# Altium PCB V1.1.PcbDoc (continued)
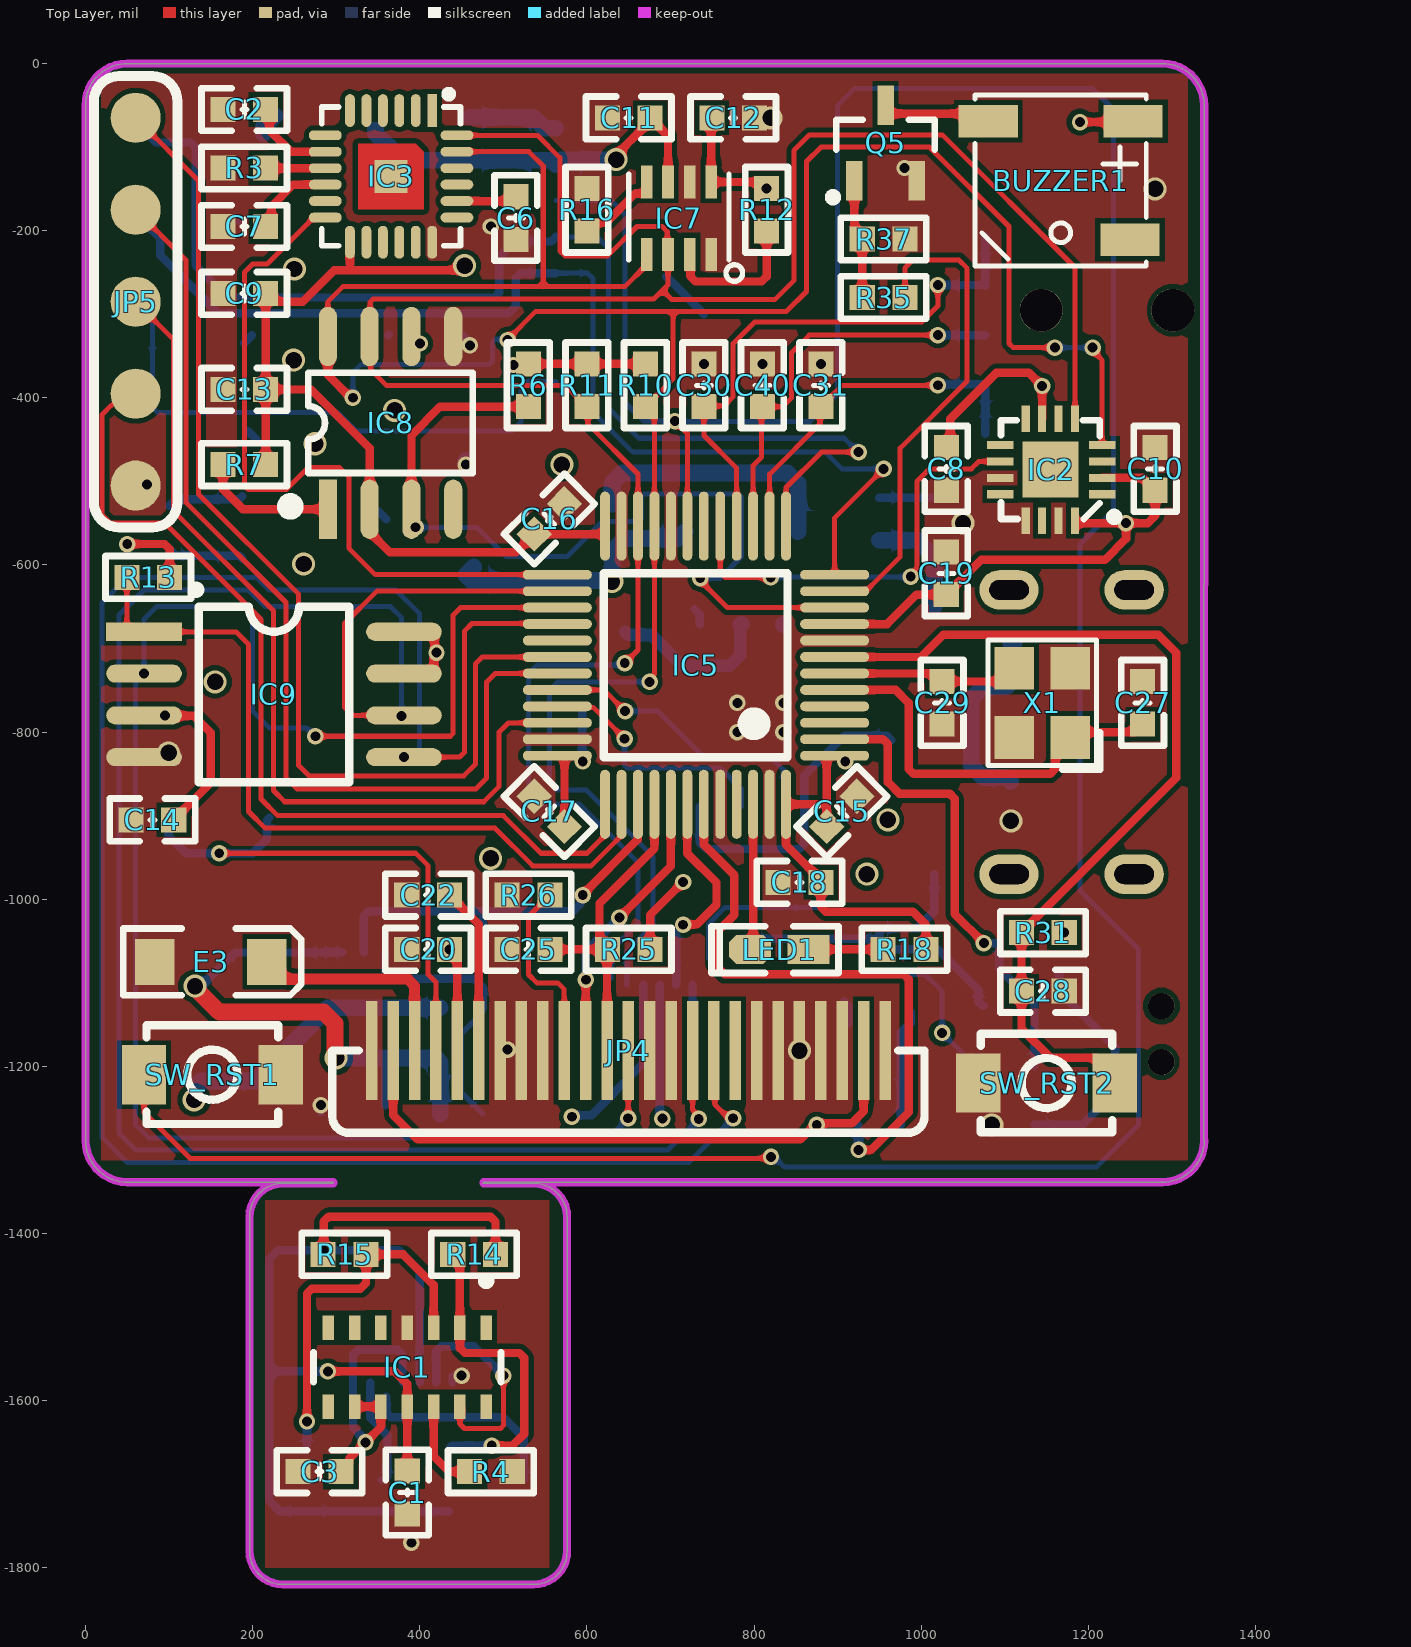
[diagram p0: Top Layer view]
## Footprints (in the part's own frame and the unit in brackets; to place one, negate y for a bottom-side part, rotate by r counter-clockwise, add the part's x,y. Pads: shape width x height; smd on the part's side, far side on the other; paste and mask are expansions set on the pad) (continued)
  rect 1x1 smd: 25(0,0)
  Top Layer region: -1,1 1,1 1,-1 -0.75,-1 -1,-0.75
  silkscreen extent -2.11,-2.6 2.11,2.11, body extent -2.01,-2.01 2.01,2.01, height 0.95
"R 0603_L" [mil] "1/10W贴片电阻"
  rect 30x30 smd: 1(-25.59,0) 2(25.59,0)
  silkscreen extent -51,-26 51,26, body extent -31,-16 31,16, height 16
SOD-123 [mil] "2.7x1.6X1.1mm（长宽高，不包括引脚）"
  rect 55x50 smd: 1(-67.5,0)
  oct 55x50 smd: 2(67.5,0)
  silkscreen extent -108,-35 112,35, body extent -73,-31 73,31, height 48
SOP8_N [mm] "5*6*1.8mm（长宽高）"
  rect 1.8x0.55 smd: 1(-2.625,1.905)
  oval 1.8x0.55 smd: 2(-2.625,0.635) 3(-2.625,-0.635) 4(-2.625,-1.905) 5(2.625,-1.905) 6(2.625,-0.635) 7(2.625,0.635) 8(2.625,1.905)
  silkscreen extent -2.69,-2.5 1.52,3.2, body extent -3,-2.5 3,2.5, height 1.9
SOP8W_N [mm] "5.3*8.3*1.8mm（长宽高）"
  rect 2.3x0.55 smd: 1(-3.95,1.905)
  oval 2.3x0.55 smd: 2(-3.95,0.635) 3(-3.95,-0.635) 4(-3.95,-1.905) 5(3.95,-1.905) 6(3.95,-0.635) 7(3.95,0.635) 8(3.95,1.905)
  silkscreen extent -2.37,-2.67 2.29,3.19, body extent -3.94,-2.64 3.94,2.64, height 1.9
SOP-8_L4.9-W3.9-P1.27-LS6.0-BL-EP3.1 [mm]
  oval 0.6x1.8 smd mask+0.051: 1(-1.905,-2.772) 2(-0.635,-2.772) 3(0.635,-2.772) 4(1.905,-2.772) 5(1.905,2.772) 6(0.635,2.772) 7(-0.635,2.772) 8(-1.905,2.772)
  rect 3.1x2 smd mask+0.051: 9(0,0)
  silkscreen extent -2.8,-2.92 2.53,1.52, body extent -2.44,-3 2.46,3, height 1.7
SOT23-3L [mm] "3x1.3x1mm(长宽高)"
  rect 0.45x1 smd: 1(-0.95,-1.143) 2(0.95,-1.143) 3(0,1.125)
  silkscreen extent -1.72,-1.65 1.5,0.7, body extent -1.5,-1.2 1.5,1.2, height 1.05
SOT23-3N [mm] "3x1.3x1mm(长宽高)"
  rect 0.5x1.2 smd: 1(-0.95,-1.143) 2(0.95,-1.143) 3(0,1.143)
  silkscreen extent -1.72,-1.78 1.5,0.7, body extent -1.5,-1.2 1.5,1.2, height 1.05
SOT23-5L [mm] "3x1.6x1.1mm(长宽高)"
  rect 0.45x1 smd: 1(-0.95,-1.4) 2(0,-1.4) 3(0.95,-1.4) 4(0.95,1.4) 5(-0.95,1.4)
  silkscreen extent -1.6,-1.73 1.5,0.66, body extent -1.5,-1.4 1.5,1.4, height 1.15
SOT23-6 [mm] "SOT-23/SC-74A; 5 Leads; Body 3.1 x 3 mm, inc. leads (LxW max)"
  rect 0.55x1.45 smd: 1(0.95,1.075) 2(0,1.075) 3(-0.95,1.075) 4(-0.95,-1.075) 5(0,-1.075) 6(0.95,-1.075)
  silkscreen extent -1.55,-0.9 1.73,1.88, body extent -1.43,-1.2 1.49,1.14, height 1
SW-SMD_L4.0-W3.0-LS4.6 [mm]
  rect 1.35x1.8 smd mask+0.051: 1(-2.075,0) 2(2.075,0)
  silkscreen extent -2,-1.5 2,1.5, body extent -2.27,-1.48 2.27,1.52, height 2.02
TEST_POINT_3 [mil] "封装底层3个测试点"
  round 60 smd far side: 1(-110,0) 2(0,0) 3(110,0)
TEST_POINT_5 [mil] "封装顶层5个测试点"
  round 60 smd: 1(-220,0) 2(-110,0) 3(0,0) 4(110,0) 5(220,0)
  silkscreen extent -270,-50 270,50
USB-C-SMD_918-418K2023S40006 [mm]
  oval 1.2x1.8 hole 0.6 slot 1.2 at 90 deg mask+0.051: 1(4.32,1.9) 2(4.32,-1.9) 3(-4.32,-1.9) 4(-4.32,1.9)
  rect 0.7x1 smd mask+0.051: A5(-0.5,1.85) B5(0.5,1.85)
  rect 0.8x1 smd mask+0.051: A9(1.5,1.85) A12(2.7,1.85) B9(-1.5,1.85) B12(-2.7,1.85)
  silkscreen extent -4.6,-4.55 4.6,0.66, body extent -4.47,-4.51 4.47,2.29, height 3.16
拨轮开关 [mm]
  rect 0.8x1.3 smd: a(2.25,-5.45) a(2.25,5.45)
  rect 1.6x1 smd: b(-2.85,-3.75) c(-2.85,-2.25) d(-2.85,-0.75) e(-2.85,0.75) f(-2.85,2.25) g(-2.85,3.75) s(-1.6,-5.75) s(-1.6,5.75)
  round 1.3 hole 1.3 unplated: ""(-1.15,0) ""(2.85,0)
  silkscreen extent -4,-7.18 8.7,7.17, body extent -3.28,-7.28 8.72,7.28, height 3

## Part data
BUZZER1: "贴片蜂鸣器5020最小封装"
C1 C2 C3 C4 C5 C6 C7 C8 C9 C10 C11 C12 C13 C14 C15 C16 C17 C18 C19 C20 C21 C22 C23 C24 C25 C26 C27 C28 C29 C30 C31 C32 C33 C34 C35 C36 C37 C38 C39 C40: library part C, "无极性贴片电容", BOM名称=无极性贴片电容, 学习资源=www.ooocke.com, 版权归属=源创客
D1: "高速开关二极管", BOM名称=高速开关二极管, 学习资源=www.ooocke.com, 版权归属=源创客
D2: "肖特基二极管", BOM名称=高速开关二极管, 学习资源=www.ooocke.com, 版权归属=源创客
DZx1: "双肖特基，共阴极"
E1 E2 E3 E4: library part C-CD, "贴片钽电容", BOM名称=贴片钽电容, 学习资源=www.ooocke.com, 版权归属=源创客
H1: "引线焊盘", BOM名称=引线焊盘, 学习资源=www.ooocke.com, 版权归属=源创客
IC1: library part MAX30102, "IC SENSOR OXIMETER/HEARTRATE", Manufacturer="Maxim Integrated", Max Junction Temp=+90°C, Max Supply Voltage=2V, Min Supply Voltage=1.7V, Operating Supply Current=600uA, Package=F143A5-1, Temperature="-40°C to +85°C", Temperature Range High=+85°C, Temperature Range Low=-40°C, Automotive=No, Category=IC, ComponentLink2Description=Datasheet, ComponentLink2URL=https://datasheets.maximintegrated.com/en/ds/MAX30102.pdf, Device Class L1=Sensors, Device Class L2=unset, Device Class L3=unset, Digikey Description="IC SENSOR OXIMETER/HEARTRATE", Footprint Url=https://pdfserv.maximintegrated.com/land_patterns/90-0602.PDF, Height=1.65mm, Lead Free=Yes, Manufacturer Part Number=MAX30102EFD+, Mouser Description="Pulse Oximeter/Heart Rate Sensor, Oesip", Octopart=https://octopart.com/max30102efd%2B-maxim+integrated-59568799, RoHS=TRUE, Sensor Output=I2C
IC2: "采用高灵敏度霍尔传感器技术的三轴电子罗盘IC。 / 最适合步行城市导航，用于手机和其他便携式设备"
IC3: "陀螺仪"
IC4: "高精度库仑计"
IC5: library part STM32F103CB, "Flash:128/RAM:20/IO:48", BOM名称=32位STM单片机, 学习资源=www.ooocke.com, 版权归属=源创客
IC6: "ESP-01F WiFi 模块是由安信可科技开发的，该模块核心处理器 ESP8285 在较小尺寸封装中集成了业界领先的 Tensilica L106 超低功耗 32 位微型 MCU，带有 16 位精简模式，主频支持 80 MHz 和 160 MH，支持 RTOS，集成 Wi-Fi MAC/BB/RF/PA/LNA。ESP-01F WiFi 模块支持标准的 IEEE802.11 b/g/n 协议，完整的 TCP/IP 协议栈。用户可以使用该模块为现有的设备添加联网功能，也可以构建独立的网络控制器"
IC7: "气压，湿度，温度传感器"
IC9: library part W25Qxx, "外置Flash", BOM名称=外置Flash, 学习资源=www.ooocke.com, 版权归属=源创客
IC10: "28V、400mA 开关升压转换器，适用于 LCD 和白光 LED"
IC11: "PW4056H 是一款完整的采用恒定电流/恒定电压的高压、大电流、单节鲤离子电池线性充电IC，最高耐压可达 28V，6.5V 自动过压保护，充电电流可达 1A。"
IC12: "低噪声，恒频 1.2MHZ，输入电压范围2.7v-5v，5v固定输出电压，输出电流250mA的DCDC升压"
IC13: "RT9013是一款超低噪声、超低压差、超快速响应稳压器。它采用SOT23-5 (2.7mm X 1.4mm)/SC70-5( 1 8mm X 1.15mm )/DFN-6L( 2mm X 2mm )三种封装"
IC14: "PW6566 系列是使用 CMOS 技术开发的低压差，高精度 输出电压，低消耗电流正电压型电压稳压器"
JP1 JP3: library part FPC-6P, "FPC连接器", BOM名称=FPC连接器, 学习资源=www.ooocke.com, 版权归属=源创客
JP2: library part "Header 3", "3P接插件", BOM名称=3P接插件, 学习资源=www.ooocke.com, 版权归属=源创客
JP5: library part "Header 5", "5P接插件", BOM名称=5P接插件, 学习资源=www.ooocke.com, 版权归属=源创客
L1: library part L-NR, "NR磁胶电感", BOM名称=NR磁胶电感, 学习资源=www.ooocke.com, 版权归属=源创客
LED1: library part LED-SMD, "贴片LED", BOM名称=贴片LED, 学习资源=www.ooocke.com, 版权归属=源创客
Q1 Q2: "类型:-;漏源电压(Vdss):-;连续漏极电流(Id):-;功率(Pd):-;导通电阻(RDS(on)@Vgs,Id):-;阈值电压(Vgs(th)@Id):-;栅极电荷(Qg@Vgs):-;输入电容(Ciss@Vds):-;反向传输电容(Crss@Vds):-;", Continuous Drain Current (Id)=-, JLCPCB Part Class="Extended Part", Manufacturer=TWGMC(台湾迪嘉), Add into BOM=yes, Convert to PCB=yes, Datasheet=https://atta.szlcsc.com/upload/public/pdf/source/20200827/C727148_2301BBDB89FCE642A4A39ABEF7075607.pdf, Device=2SK3018, Drain Source On Resistance (RDS(on)@Vgs,Id)=-, Drain Source Voltage (Vdss)=-, Gate Threshold Voltage (Vgs(th)@Id)=-, Input Capacitance (Ciss@Vds)=-, LCSC Part Name=2SK3018, Manufacturer Part=2SK3018, Power Dissipation (Pd)=-, Reverse Transfer Capacitance (Crss@Vds)=-, Supplier=LCSC, Supplier Footprint=SOT-23, Supplier Part=C727148, Symbol=2SK3018_C727148, Total Gate Charge (Qg@Vgs)=-, Type=-
Q3 Q4: "P沟道场效应管", BOM名称=P沟道场效应管, 学习资源=www.ooocke.com, 版权归属=源创客
Q5 Q6: library part 8050-SMD, "高频放大-NPN型", BOM名称=高频放大-NPN型, 学习资源=www.ooocke.com, 属性="40V 1.5A 1W 100MHZ", 版权归属=源创客
R1 R2 R3 R4 R5 R6 R7 R10 R11 R12 R13 R14 R15 R16 R17 R18 R19 R20 R21 R22 R23 R24 R25 R26 R27 R29 R30 R31 R32 R35 R37 R38 R39 R40: library part R, "贴片电阻", BOM名称=贴片电阻, 学习资源=www.ooocke.com, 版权归属=源创客
SW_PWR1: library part "TSW 2x4x3.5", "2x4x3.5轻触开关", BOM名称=2x4x3.5轻触开关, 学习资源=www.ooocke.com, 版权归属=源创客
SW_RST1 SW_RST2: library part "TSW 3x4x2", "3x4x2开关", BOM名称=3x4x2开关, 学习资源=www.ooocke.com, 版权归属=源创客
USB1: library part "TYPE-C 6PIN", "连接器类型:Type-C;标准:USB 3.1;公母:母座;触点数量:6;端口数量:1;安装方式:卧贴;额定电流 - 电源:-;工作温度范围:-40℃~+85℃;", Current Rating - Power (Max)=-, JLCPCB Part Class="Extended Part", LCSC Part Name="Type-C 母座 卧贴 无弹单排LCP黑胶", Manufacturer=精拓金, Operating Temperature Range=-40℃~+85℃, Add into BOM=yes, Connector Type=Type-C, Convert to PCB=yes, Datasheet=https://atta.szlcsc.com/upload/public/pdf/source/20190620/C399925_D8B78B8101E8027AE7B71A8976357F30.pdf, Device=918-418K2023S40006, Gender=母座, Manufacturer Part=918-418K2023S40006, Mounting Style=卧贴, Number of Contacts=6, Number of Ports=1, Standard="USB 3.1", Supplier=LCSC, Supplier Footprint=SMD, Supplier Part=C399925, Symbol=918-418K2023S40006
X1: library part XTAL-4P, "4脚无源晶振", BOM名称=4脚无源晶振, 学习资源=www.ooocke.com, 版权归属=源创客

## Via types
v1: diameter 19.68, hole 11.81, Top Layer to Bottom Layer, tented both sides, 73 vias
v2: diameter 27.56, hole 19.68, Top Layer to Bottom Layer, tented both sides, 23 vias

## Nets (pads, with @x,y where several pads share a name; then routed paths per layer and width w, separated by ;. In a path a pad name is that pad's centre, name@x,y a point inside that pad or via, vN(x,y) a via of type N, cw(c..) or ccw(c..) an arc to the next point about the centre after c; other vN are vias at no path point)
+1.8V: C1.1 C33.1 IC1.11 IC14.2 JP1.4 JP3.3 Q1.1 Q2.1 R14.1 R15.1 | length 2643.6
  Top Layer w10: R15.1 284.41,-1420.59 v1(285,-1420) ; R15.1@284.41,-1420 285,-1419.41 285,-1385.86 290.86,-1380 484.74,-1380 490.59,-1385.86 R14.1 ; v1(290,-1565) 370,-1565 385,-1580 IC1.11 C1.1
  PWR w20: v2(370,-415) 410,-455 410,-510 510,-610 510,-780 390,-900 390,-962.11 v1(690.38,-1262.49)
  Bottom Layer w10: v1(290,-1565) 220,-1565 ; JP1.4 399.84,-1444.84 375,-1420 v1(285,-1420) 230.27,-1420 220,-1430.27 220,-1565 ; Q1.1 Q2.1 232.4,-1732.4 220,-1720 220,-1565 ; JP3.3 687.01,-1256.5 690.38,-1259.87 v1(690.38,-1262.49)
+3.3V: BUZZER1.1 C5.1 C8.2 C9.2 C10.2 C11.1 C12.1 C13.1 C14.2 C15.2 C16.2 C17.2 C18.2 C19.2 C20.2 C35.1 E1.1 IC2.2 IC2.7 IC2.16 IC3.13 IC5.1 IC5.9 IC5.24 IC5.36 IC5.48 IC6.17 IC7.6 IC7.8 IC8.2 IC9.3 IC9.7 IC9.8 IC13.5 JP4.5 R1.2 R6.1 R7.1 R10.1 R11.1 R12.2 R13.2 R17.2 R18.2 R22.2 R23.2 R25.1 R31.2 | length 3969.8
  Top Layer w10: v1@50.7,-575 94.73,-575 100.59,-580.86 R13.2 ; IC9.3 70.55,-780.55 129.69,-780.55 150,-800.86 150,-860.59 C14.2 ; R7.1 C13.1 ; IC3.13 316.42,-246.02 315,-247.44 ; IC9.8 412.32,-680 417.7,-685.38 417.7,-700.08 420,-702.38 420,-707.62 416.92,-710.7 416.92,-725.4 IC9.7@412.32,-730 ; v1(435.59,-1060) 444.88,-1069.3 JP4.5 ; v2@450.17,-245.17 v2(453.53,-241.81) 447.9,-247.44 315,-247.44 ; R6.1 R11.1 R10.1 ; IC5.36 572.25,-828.27 573.09,-829.1 C17.2 ; IC5.24@620.9,-526.91 621.73,-527.75 IC5.24 621.73,-562.25 620.9,-563.09 C16.2 514.99,-585 364.27,-585 340,-560.73 340,-460 270,-390 C13.1 ; v2(635,-115) 638.36,-111.64 638.36,-106.09 665.59,-78.85 665.59,-75 C11.1 697,-86.4 IC7.6 ; R25.1 675.59,-1018.81 v1(715,-979.41) ; C12.1 748.6,-65.81 IC7.8 807.28,-141.69 v1(815,-149.41) ; C15.2 886.9,-885 ; IC5.9 959.21,-670.79 994.41,-635.59 C19.2 1071.7,-593.89 1219.9,-593.89 1245.16,-568.63 1245.16,-550.16 v1(1245,-550) ; v1(909.16,-835) 911.9,-832.25 911.9,-829.1 911.07,-828.27 887.74,-828.27 886.9,-829.1 886.9,-885 ; R18.2 1005.59,-1030.59 990,-1015 885.86,-1015 880,-1009.14 880,-979.89 869.93,-969.82 869.93,-966.76 838.27,-935.1 IC5.48 885.49,-886.42 886.9,-885 ; C8.2 1034.73,-454.69 1034.73,-425.27 1090,-370 1128.83,-370 v1(1144.68,-385.86) IC2.7 ; IC2.16 1184.06,-549.92 1184.13,-550 v1(1245,-550) ; v1(1190,-70) 1252.7,-70 BUZZER1.1 ; IC2.2 1265.26,-495.85 C10.2 1280,-541.16 1271.15,-550 v1(1245,-550) ; C13.1 C9.2 225.58,-285 260,-285 297.56,-247.44 315,-247.44
  Bottom Layer w10: R22.2 594.41,-835.59 v1(595,-835) ; R22.2@594.41,-835 R23.2
  Bottom Layer w20: E1.1 346.93,-83.94 378.59,-115.59 C5.1 557.56,-115.59 IC6.17 568.7,-115 v2(635,-115)
  other v1: 1171.18,-1040 95,-780 420,-705 50,-575 512.02,-360.76
+5V: C3.2 C39.1 IC1.9 IC1.10 IC12.1 JP1.3 JP3.4 | length 1596.8
  Top Layer w10: C3.2 315.59,-1675 315.59,-1669.41 v1(335,-1650) 353.5,-1631.5 IC1.10 IC1.9
  PWR w20: v2(274.78,-455) 276.23,-456.45 311.45,-456.45 365,-510 365,-700 320,-745 320,-1105 475.36,-1260.36 v1(582.08,-1260.36)
  Bottom Layer w10: v1(335,-1650) 335,-1647.38 320,-1632.38 320,-1545.1 325.86,-1539.24 373.39,-1539.24 379.25,-1545.1 379.25,-1577.4 JP1.3 ; v1(582.08,-1260.36) 583.94,-1258.51 605.55,-1258.51 667.32,-1196.74 JP3.4
+15V: C21.2 D1.2 E2.1 JP4.2 JP4.24 R21.2 | length 1449
  Top Layer w10: JP4.2 368.11,-1258.11 397.51,-1287.51 855.26,-1287.51 872.77,-1270 v1(875,-1270) 876.85,-1268.15 916.85,-1268.15 931.1,-1253.9 JP4.24
  PWR w20: v2(484.78,-951.07) 484.78,-949.02 523.8,-910 740,-910 900,-1070 900,-1245 v1(875,-1270)
AK_INT: IC2.10 IC5.17 | length 512.8
  Top Layer w6: IC5.17 759.53,-609.14 765.39,-615 v1(820,-615) ; v1(987.55,-613.91) 987.55,-611.01 995,-603.55 995,-500 1010,-485 1060,-485 1068.83,-476.17 IC2.10
  Bottom Layer w6: v1(820,-615) 820.54,-614.46 987,-614.46 v1(987.55,-613.91)
BAT+: C26.1 H1.+ IC11.5 Q3.3 R2.2 | length 2559.9
  PWR w20: v2(130,-1240) 130,-1180 230,-1080 230,-760 310,-680 310,-532.57 292.43,-515 242.57,-515 220,-492.43 220,-445 380,-285 530,-285 570,-325 v2(570,-480) 770,-480 865,-575 865,-665 960,-760 v2(960,-905)
  Bottom Layer w20: H1.+ 137.39,-1217.61 202.39,-1217.61 290,-1130 R2.2
BAT-: C4.1 H1.- IC4.1 IC4.5 IC4.6 R5.1 | length 667.6
  Top Layer w20: v2(131,-1104) 131,-1106.05 159.95,-1135 285,-1135 298.55,-1148.55 298.55,-1188.55 v2(300,-1190)
  Bottom Layer w10: v2(131,-1104) 138.85,-1104 179.07,-1063.78 IC4.5@281.51,-1063.78 ; IC4.5@281.61,-1063.54 IC4.6@307.2,-1063.54 ; IC4.1 358.39,-1191.32 359.7,-1190 ; C4.1@424.41,-1256.92 C4.1
  Bottom Layer w20: v2(300,-1190) 359.7,-1190 419.41,-1190 R5.1 C4.1@424.41,-1256.92
Buzzer: IC5.11 R35.1 | length 591.9
  Top Layer w6: IC5.11 933.42,-631.42 936.33,-628.51 936.49,-628.51 974.77,-590.23 974.77,-460.23 1055,-380 1055,-245 1045,-235 990,-235 980.59,-244.41 R35.1
CHRG: IC5.32 IC11.6 R23.1 | length 354.1
  Top Layer w6: IC5.32 620.12,-749.53 v1(645.59,-775)
  Bottom Layer w6: v1(645.59,-775) 685,-775 740.69,-830.69 820.69,-830.69 835,-845 IC11.6
CLOCK_INT: IC5.10 IC8.3 R6.2 | length 1008.4
  Top Layer w6: v1@735.65,-618.61 768.14,-651.1 IC5.10
  Top Layer w10: IC8.3@390.02,-554.98 v1(394.99,-554.98) ; IC8.3 390,-445 424.41,-410.59 R6.2 ; v1@735.65,-618.61 v1(735.65,-615.99)
  Bottom Layer w6: v1(394.99,-554.98) 468.32,-555 503.32,-590 576.49,-590 618.37,-548.11 661.49,-548.11 665,-544.6 665,-518.51 668.51,-515 781.49,-515 785,-518.51 785,-590 759.01,-615.99 v1(735.65,-615.99)
DQ: IC4.7 IC5.39 R1.1 | length 506.4
  Top Layer w10: v1(595,-995) 595,-994.44 660.76,-928.68 660.76,-886.76 IC5.39
  Bottom Layer w10: IC4.7@332.8,-1063.54 332.84,-1063.5 332.84,-1020.29 338.7,-1014.43 583.37,-1014.43 591.33,-1006.46 591.33,-1005.52 593.15,-1003.7 593.15,-996.85 v1(595,-995) ; R1.1 475.59,-1015
ESP_RST: IC5.19 IC6.16 SW_RST1.1 | length 3962.7
  Top Layer w6: SW_RST1.1 70,-1255 125,-1310 818.65,-1310 v1(820.27,-1308.38) ; v1(705.3,-427.81) 720.16,-442.67 IC5.19
  Bottom Layer w6: IC6.16 629.17,-164.17 645.64,-180.64 645.64,-405.64 667.81,-427.81 v1(705.3,-427.81) ; v1@705.3,-428.3 866.7,-428.3 900,-395 900,-50 920,-30 1205,-30 1230,-55 1230,-535 1190,-575 1190,-990 1260,-1060 1260,-1270 1209.29,-1320.71 836.31,-1320.71 823.97,-1308.38 v1(820.27,-1308.38)
ESP_RXD: IC5.12 IC6.14 JP2.2 | length 1308.8
  Top Layer w6: IC5.12 896.42,-543.58 v1(955,-485)
  Bottom Layer w6: IC6.14 600.78,-250.78 607.22,-257.22 607.22,-417.22 655,-465 885,-465 905,-485 v1(955,-485)
  Bottom Layer w10: JP2.2 89.57,-209.57 89.57,-229.57 158.82,-298.82 506.18,-298.82 515,-290 515,-256.64 520.86,-250.78 IC6.14
ESP_TXD: IC5.13 IC6.15 JP2.1 | length 1430.4
  Top Layer w6: IC5.13 838.27,-507.4 880.67,-465 v1(925,-465)
  Bottom Layer w6: IC6.15 612.48,-207.48 625.65,-220.65 625.65,-411.95 662.09,-448.4 908.04,-448.4 924.64,-465 v1(925,-465)
  Bottom Layer w10: JP2.1 84.5,-94.5 125.7,-94.5 131.55,-100.36 131.55,-241.55 170,-280 489.14,-280 495,-274.14 495,-231.82 513.86,-212.96 557.35,-212.96 IC6.15
GND: C1.2 C2.2 C3.1 C5.2 C6.1 C7.2 C8.1 C9.1 C10.1 C11.2 C12.2 C13.2 C14.1 C15.1 C16.1 C17.1 C18.1 C19.1 C20.1 C22.1 C23.1 C24.1 C25.1 C26.2 C27.2 C28.1 C29.2 C30.2 C31.2 C32.2 C33.2 C34.2 C35.2 C36.1 C38.1 C39.2 C40.2 E1.2 E2.2 E3.2 E4.2 IC1.4 IC2.11 IC2.13 IC2.15 IC3.18 IC4.4 IC5.8 IC5.20 IC5.23 IC5.35 IC5.44 IC5.47 IC6.2 IC6.18 IC6.19 IC7.1 IC7.7 IC8.5 IC9.4 IC10.2 IC11.1 IC11.3 IC11.9 IC12.2 IC13.2 IC14.1 JP1.6 JP3.1 JP4.1 JP4.7 JP4.8 JP4.9 JP4.14 JP4.15 JP4.19 JP4.20 JP4.21 JP4.22 JP4.23 JP4.25 JP5.1 K1.a Q5.2 Q6.2 R3.2 R4.1 R5.2 R16.1 R26.1 R27.1 R29.1 R30.2 R37.1 R40.1 SW_PWR1.2 SW_RST1.2 SW_RST2.2 USB1.A12 USB1.B12 X1.2 X1.4 | length 511.2
  Top Layer w10: SW_RST1.2@233.38,-1218.86 SW_RST1.2 ; IC1.4 IC1.4@385.31,-1513.07 ; R4.1@510,-1685.59 R4.1 ; IC5.35@564.24,-808.93 IC5.35 IC5.35@564.93,-808.93 ; IC7.7@721.23,-139.92 IC7.7 ; C18.1 C18.1@828.98,-979.58 ; X1.2 X1.2@1184.8,-730
  Bottom Layer w10: C34.2@180,-184.41 C34.2 ; C32.2 C32.2@199.23,-325.18 ; C39.2@194.41,-440 C39.2 ; IC4.4@281.51,-1255 281.61,-1254.89 v1(281.61,-1246.46) ; C38.1@350,-535.52 C38.1 ; IC14.1@362.42,-325.18 IC14.1@363.19,-324.41 ; JP1.6 439.21,-1570.91 440.12,-1570 v1(450,-1570) ; C33.2@450,-324.41 C33.2 C33.2@460,-340 ; IC6.19@695,-255 IC6.19 ; JP3.1 726.38,-1121.26 JP3.1@727.28,-1122.17 ; IC11.1@728.71,-652.77 735,-659.06 IC11.1 ; Q6.2@907.76,-1122.17 912.6,-1127.01 Q6.2 Q6.2@912.6,-1148.78 ; R30.2 1040,-519.41 ; K1.a@1275,-83.27 1277.56,-80.71 K1.a@1280,-83.14 ; K1.a@1277.56,-509.84 K1.a@1285,-502.4
  Bottom Layer w20: E1.2@213.07,-83.94 E1.2 213.07,-76.06 E1.2@226.69,-62.44 ; E4.2 E4.2@455,-475 ; C5.2 535.91,-64.41 549.05,-77.56 IC6.18 ; IC11.3 IC11.3@835.59,-671.44 ; v2(1107.16,-906.3) USB1.A12@1107.83,-905.64 ; USB1.B12 USB1.B12@1111.1,-693.71
  other v1: 390,-1770 505,-1180 780,-800 835,-800 780,-765 835,-765 73.46,-503.55 455,-480 740,-359.41 810,-359.41 880,-359.41 460,-337.21 485,-195 980,-125
  other v2: 1084.41,-1270 854.33,-1181.1 99.41,-825 1050,-550 1280,-150 820,-65
I2C2_SCL: IC2.4 IC3.23 IC5.21 IC7.4 IC8.8 JP3.5 R10.2 | length 3260.5
  Top Layer w6: IC8.8 290,-285 307.91,-267.09 547.72,-267.09 ; IC3.23 530.55,-105.55 547.72,-122.72 547.72,-267.09 ; v1(505,-330.84) 505,-330.36 538.78,-296.57 703.24,-296.57 ; IC7.4@669.5,-243 645.41,-267.09 547.72,-267.09 ; v1(675,-740) 675,-736.3 680.79,-730.51 IC5.21 680.79,-421.38 R10.2 703.24,-377.35 703.24,-296.57 ; v1(1160,-340) 1110,-340 1105,-335 1105,-195 1010,-100 880,-100 862.7,-117.3 862.7,-272.74 838.87,-296.57 703.24,-296.57 ; v1(1205,-340) 1205,-343.58 1216.54,-355.11 IC2.4
  Top Layer w10: IC8.8 290,-372.62 317.38,-400 v1(320,-400) ; IC7.4@669.5,-243 669.5,-230.21 IC7.4
  Bottom Layer w6: v1(320,-400) 320,-370 330,-360 483.37,-360 486.88,-356.49 486.88,-333.56 490.39,-330.04 504.2,-330.04 v1(505,-330.84) ; JP3.5 647.64,-1062.21 679.18,-1030.67 679.18,-949.18 599.3,-869.3 564.3,-869.3 555,-860 555,-750 565,-740 v1(675,-740) ; v1(1160,-340) v1(1205,-340) v1@1202.38,-342.62
I2C2_SDA: IC2.5 IC3.24 IC5.22 IC7.3 IC8.7 JP3.6 R11.2 | length 3020.5
  Top Layer w6: IC3.24 540.87,-85.87 567.64,-112.64 567.64,-224.26 573.5,-230.12 624.88,-230.12 660,-195 690,-195 696.26,-201.26 IC7.3@696.26,-227.57 ; v1(645.3,-717.56) 661.1,-701.76 IC5.22 661.1,-491.1 601.07,-431.07 601.07,-411.66 R11.2 574.41,-385 360,-385 341.15,-366.15 341.15,-327.8 IC8.7 340.57,-326.08 340.57,-285.44 344.08,-281.92 679.7,-281.92 690.34,-271.29 ; IC7.3 697,-264.63 690.34,-271.29 ; IC2.5 1184.06,-244.06 1025.26,-85.26 866.37,-85.26 847.56,-104.07 847.56,-259.83 825.16,-282.23 701.28,-282.23 690.34,-271.29
  Top Layer w10: IC7.3@696.26,-227.57 IC7.3
  Bottom Layer w6: JP3.6@628.72,-1094.64 628.72,-1061.28 661.38,-1028.62 661.38,-956.38 590.98,-885.98 540.98,-885.98 530,-875 530,-730 540,-720 642.86,-720 v1(645.3,-717.56)
I2C_SCL: JP1.2 Q1.3 | length 246.5
  Bottom Layer w10: JP1.2@360,-1595.16 360,-1614.14 365.86,-1620 500,-1620 524.29,-1644.29 Q1.3
I2C_SDA: JP1.1 Q2.3 | length 129.3
  Bottom Layer w10: JP1.1 340.79,-1620.79 360.86,-1640.86 360.86,-1691.14 357,-1695 Q2.3
IO0: IC6.11 JP2.3 | length 647
  Bottom Layer w6: JP2.3 80,-411.53 85.86,-417.39 301.65,-417.39 324.26,-440 510,-440 520.86,-429.14 520.86,-384.22 524.37,-380.71 IC6.11
KEY1: C30.1 IC5.16 K1.c K1.d | length 667.7
  Top Layer w6: C30.1 740,-445 779.21,-484.21 IC5.16 ; C30.1@740.86,-409.74 764.15,-409.74 775,-398.88 775,-335 800.64,-309.36 1000.64,-309.36 1020,-290 v1(1020,-265)
  Top Layer w10: C30.1 C30.1@740.86,-409.74
  Bottom Layer w10: v1(1020,-265) 1076.02,-265 K1.d K1.c
KEY2: C31.1 IC5.14 K1.f K1.g | length 428.7
  Top Layer w6: IC5.14 818.58,-491.42 878.92,-431.08 878.92,-411.68 C31.1 905.6,-385 v1(1020,-385)
  Bottom Layer w10: v1@1026.14,-383.86 K1.f K1.g
KEY3: C40.1 IC5.15 K1.e | length 481.6
  Top Layer w6: IC5.15 798.9,-481.1 808.92,-471.08 808.92,-411.68 C40.1 834.41,-410.59 845,-400 845,-345.86 865.86,-325 v1(1020,-325)
  Bottom Layer w10: v1(1020,-325) 1076.58,-325 K1.e
KEY4: DZx1.2 IC5.2 R32.2 | length 567.7
  Top Layer w10: IC5.2 954.14,-808.58 960,-814.44 960,-860 973.81,-873.81 1034.14,-873.81 1040,-879.67 1040,-1017.6 v1(1075,-1052.6)
  Bottom Layer w10: v1(1075,-1052.6) 1088.75,-1052.6 1093.6,-1057.44 1093.6,-1083.6 1135.59,-1125.59 R32.2
LED: IC5.46 LED1.2 | length 175.5
  Top Layer w10: LED1.2 798.9,-1056.35 IC5.46
MAX_INT: IC1.13 IC5.42 JP1.5 JP3.2 R17.1 | length 515.4
  Top Layer w6: IC1.13 447.99,-1627.99 453.4,-1633.4 496.49,-1633.4 500,-1629.89 v1(500,-1570)
  Top Layer w10: IC1.13 449.88,-1609.13 IC1.13@449.88,-1617.01 ; v1(715,-1030.59) 715.36,-1030.23 731.41,-1030.23 755,-1006.64 755,-980 720,-945 IC5.42@720,-900
  Bottom Layer w10: JP1.5 419.53,-1540.86 425.39,-1535 465,-1535 v1(500,-1570) ; R17.1@705,-1040.59 706.69,-1042.29 JP3.2
MAX_SCL: IC1.2 Q1.2 R14.2 | length 386
  Top Layer w10: R14.2 447.99,-1433.58 447.99,-1537.13 453.85,-1542.99 519.14,-1542.99 525,-1548.85 525,-1640 511.1,-1653.9 v1(486.17,-1653.9)
  Bottom Layer w10: Q1.2 438.7,-1653.9 v1(486.17,-1653.9)
MAX_SDA: IC1.3 Q2.2 R15.2 | length 443.2
  Top Layer w10: v1(265,-1625) 265,-1471.81 270.86,-1465.96 329.04,-1465.96 335.59,-1459.41 R15.2 380,-1425 416.5,-1461.5 IC1.3
  Bottom Layer w10: Q2.2 v1(265,-1625)
MPU_INT: IC3.12 IC5.25 | length 870.3
  Top Layer w6: IC3.12 273.04,-184.29 217.33,-240 200,-240 190,-250 190,-505 195,-510 240,-510 266.86,-483.14 303.66,-483.14 315,-494.48 315,-580 346.73,-611.73 IC5.25
NetBUZZER1_2: BUZZER1.2 Q5.3 | length 133.8
  Top Layer w10: Q5.3 957.4,-55.16 962.24,-60 1071.15,-60 BUZZER1.2
NetC2_1: C2.1 IC3.8 | length 104.3
  Top Layer w10: C2.1 220,-59.4 220,-80 245.55,-105.55 IC3.8
NetC4_2: C4.2 IC4.8 R2.1 | length 317.3
  Bottom Layer w6: R2.1@475.59,-1135 450,-1160.6 450,-1231.33 C4.2
  Bottom Layer w10: IC4.8@358.39,-1063.54 358.39,-1089.14 364.24,-1095 465,-1095 475.59,-1105.59 R2.1
NetC6_2: C6.2 IC3.20 | length 72.8
  Top Layer w10: IC3.20 509.81,-164.61 C6.2
NetC7_1: C7.1 IC3.10 | length 102.2
  Top Layer w10: C7.1 222.46,-188.13 222.46,-170.85 248.39,-144.92 IC3.10
NetC21_1: C21.1 IC10.3 R21.1 R27.2
NetC22_2: C22.2 JP4.6 | length 200.5
  Top Layer w10: C22.2 470.47,-1029.89 JP4.6
NetC23_2: C23.2 IC11.4 R20.1
NetC36_2: C36.2 DZx1.3 SW_PWR1.1 | length 281.3
  Bottom Layer w10: C36.2 1192.6,-1270 1232.28,-1230.32 SW_PWR1.1 1232.28,-1177.28 1165,-1110 DZx1.3
NetC37_1: C37.1 IC12.6 | length 92.6
  Bottom Layer w10: C37.1 107.95,-521.46 183.82,-521.46 IC12.6
NetC37_2: C37.2 IC12.4 | length 92.6
  Bottom Layer w10: C37.2 108.24,-588.83 184.1,-588.83 IC12.4
NetD1_1: D1.1 IC10.1 L1.2
NetDZx1_1: DZx1.1 Q4.1 Q6.3 R38.2 | length 452.9
  Bottom Layer w10: Q4.1 947.6,-1047.4 Q6.3 950,-1039.84 954.84,-1035 995,-1035 1015.59,-1014.41 R38.2 ; Q6.3@950,-1060 1020,-1060 1068.42,-1108.42 1068.42,-1122.56 1073.26,-1127.4 DZx1.1
NetE3_1: E3.1 JP4.3 | length 265.3
  Top Layer w13: E3.1@216.93,-1077.88 216.93,-1078.54 234.05,-1095.66 385.66,-1095.66 393.7,-1103.7 JP4.3
NetIC1_12: IC1.12 R4.2 | length 109.8
  Top Layer w10: IC1.12 416.5,-1666.5 435,-1685 R4.2
NetIC3_9: IC3.9 R3.1 | length 71.4
  Top Layer w6: R3.1 R3.1@215.83,-125.24
  Top Layer w10: R3.1@215.83,-125.24 IC3.9
NetIC7_2: IC7.2 R12.1 | length 177.4
  Top Layer w10: IC7.2 724.09,-229.4 724.09,-255.02 729.95,-260.88 809.15,-260.88 815,-255.02 R12.1
NetIC7_5: IC7.5 R16.2 | length 102.8
  Top Layer w10: R16.2 610,-190.59 622.5,-190.59 657.5,-155.59 669.5,-155.59 671.4,-153.69 IC7.5
NetIC8_1: IC8.1 R7.2 | length 189.5
  Top Layer w10: R7.2 164.41,-509.41 188.35,-533.35 IC8.1 IC8.1@290,-508.74
NetIC11_2: IC11.2 R29.2 | length 197.9
  Bottom Layer w15: R29.2 649.29,-683.7 677.17,-683.7 714.31,-720.84 770.64,-720.84 783.35,-708.12 783.35,-672.5 IC11.2@784.31,-671.54
  Bottom Layer w20: IC11.2@784.31,-671.54 IC11.2
NetIC11_8: IC11.8 R19.1 | length 381.7
  Bottom Layer w10: IC11.8 735,-931.82 743.18,-940 854.14,-940 860,-934.14 860,-852.66 908.32,-804.34 958.75,-804.34 R19.1
NetJP4_10: JP4.10 R26.2 | length 229.1
  Top Layer w6: R26.2 530,-1020.59 530,-1090 540,-1100 565,-1100 572.83,-1107.83 JP4.10
NetLED1_1: LED1.1 R18.1 | length 89.2
  Top Layer w10: LED1.1@865.25,-1060 R18.1
NetQ5_1: Q5.1 R35.2 R37.2 | length 138.9
  Top Layer w10: Q5.1 920.01,-200.59 R37.2 R35.2@929.41,-275
NetQ6_1: Q6.1 R39.1 R40.2 | length 140.6
  Bottom Layer w10: R39.1 R40.2 975.59,-1159.48 981.45,-1153.62 982.56,-1153.62 987.4,-1148.78 Q6.1
NRST: C28.2 IC5.7 R31.1 SW_RST2.1 | length 1098.8
  Top Layer w10: IC5.7 999.84,-710.16 1026.29,-683.71 1283.71,-683.71 1305,-705 1305,-855 R31.1 C28.2 1120,-1155 1154.57,-1189.57 1210.11,-1189.57 1231.69,-1211.14 SW_RST2.1
OLED_EN: IC10.4 JP4.4 R24.1 | length 665.5
  Top Layer w6: v1(160,-945) 395,-945 410,-960 410,-1090 419.29,-1099.29 JP4.4
  Bottom Layer w10: R24.1 99.41,-924.41 120,-945 v1(160,-945) 200,-945 217.14,-927.86 217.14,-905.15 IC10.4
OLED_RES: C25.2 IC5.40 JP4.12 R25.2 | length 394.8
  Top Layer w10: C25.2 R25.2 ; JP4.12 624.02,-1060.39 R25.2 ; IC5.40 680.79,-939.21 615,-1005 615,-1050.58 R25.2
OSC_IN: C27.1 IC5.5 X1.1 | length 492.7
  Top Layer w10: IC5.5 969.53,-749.53 985,-765 985,-844.14 990.86,-850 1154.41,-850 1160.27,-844.14 1160.27,-824.54 1184.8,-800 1255.6,-800 C27.1
OSC_OUT: C29.1 IC5.6 X1.3 | length 225.6
  Top Layer w10: IC5.6 1015.43,-729.84 C29.1 1095.79,-739.41 X1.3
POWER_EN: IC5.43 R39.2 | length 724.5
  Top Layer w10: IC5.43 739.84,-934.84 776.27,-971.27 776.27,-1018.73 752.09,-1042.91 752.09,-1077.09 765,-1090 979.14,-1090 985,-1095.86 985,-1255 940.07,-1299.93 925.07,-1299.93 v1(925,-1300)
  Bottom Layer w10: R39.2 925,-1270.59 v1(925,-1300)
SPI2_MISO: IC5.27 IC9.2 JP4.13 | length 2085.5
  Top Layer w6: IC9.2@59.49,-730 v1(70,-730) ; v1(275,-805) 436.49,-805 440,-801.49 440,-659.82 448.72,-651.1 IC5.27 ; v1(649.24,-1262.16) 649.42,-1261.98 649.42,-1181.68 JP4.13@649.8,-1181.3
  Top Layer w10: JP4.13 JP4.13@649.8,-1181.3
  Bottom Layer w6: v1(275,-805) 274.64,-805 264.64,-795 220,-795 200,-775 200,-660 190,-650 85,-650 70,-665 70,-730.36 60,-740.36 60,-1270 75.51,-1285.51 625.89,-1285.51 v1(649.24,-1262.16)
SPI2_MOSI: IC5.28 IC9.5 JP4.17 | length 2436.4
  Top Layer w6: IC9.5@401.02,-830 447.6,-830 453.25,-824.35 453.25,-679.32 462.57,-670 563.8,-670 IC5.28 ; JP4.17 753.01,-1182.15 753.01,-1245.64 766.83,-1259.46 772.24,-1259.46 v1(774.86,-1262.08)
  Bottom Layer w6: v1(381.02,-830) 396.3,-830 399.81,-826.49 399.81,-658.54 371.27,-630 220,-630 205,-615 50,-615 20,-645 20,-1285 50,-1315 721.94,-1315 v1(774.86,-1262.08)
SPI2_NSS1: IC5.41 JP4.11 | length 337
  Top Layer w10: JP4.11 598.56,-1180.97 598.56,-1096.54 v1(598.69,-1096.41) ; v1(638.8,-1022.03) 700.47,-960.36 IC5.41
  Bottom Layer w10: v1(598.69,-1096.41) 598.69,-1062.14 620.74,-1040.09 v1(638.8,-1022.03)
SPI2_NSS2: IC5.38 IC9.1 R13.1 | length 937.8
  Top Layer w6: R13.1 49.41,-672.17 57.23,-680 IC9.1 180,-680 195,-695 195,-895 215,-915 490,-915 535,-960 605,-960 638.51,-926.49 638.51,-926.33 641.42,-923.42 IC5.38
SPI2_SCK: IC5.26 IC9.6 JP4.16 | length 2339.6
  Top Layer w6: IC9.6@370.51,-780 320,-780 310,-770 310,-670 348.58,-631.42 IC5.26 ; JP4.16 726.36,-1251.81 733.74,-1259.2 v1(733.74,-1262.9)
  Bottom Layer w6: v1(378.25,-780.98) 378.25,-663.25 365,-650 215,-650 195,-630 70,-630 40,-660 40,-1280 60,-1300 696.64,-1300 v1(733.74,-1262.9)
STDBY: IC5.33 IC11.7 R22.1 | length 301.1
  Top Layer w6: IC5.33 565.69,-770.32 607.49,-770.32 v1(645.11,-807.94)
  Bottom Layer w6: v1(645.11,-807.94) 645.11,-839.3 645,-839.41 648.6,-843.01 760.1,-843.01 785,-867.91 IC11.7
SWCLK: IC5.37 JP5.2 | length 1111.6
  Top Layer w6: JP5.2 45.39,-395 31.31,-409.08 30.92,-409.08 20,-420 20,-540 30,-550 95,-550 210,-665 210,-880 230,-900 500,-900 545,-945 600,-945 621.73,-923.27 IC5.37
SWDIO: IC5.34 JP5.3 | length 1075.7
  Top Layer w6: JP5.3 105,-330 105,-535 225,-655 225,-870 238.38,-883.38 476.62,-883.38 495,-865 495,-800 506.1,-788.9 IC5.34
USART1_RX: IC5.31 JP5.4 | length 1209
  Top Layer w6: JP5.4 120,-235 120,-525 240,-645 240,-855 252.84,-867.84 467.16,-867.84 480,-855 480,-740 490.16,-729.84 IC5.31
USART1_TX: IC5.30 JP5.5 | length 1299.7
  Top Layer w6: JP5.5 135,-140 135,-515 255,-635 255,-840 267.37,-852.37 452.63,-852.37 466.61,-838.4 466.61,-718.4 474.84,-710.16 IC5.30
VBUS: D2.1 Q3.1 R19.2 R20.2 R30.1 USB1.A9 USB1.B9 | length 638.9
  Bottom Layer w20: Q3.1@630.23,-527.44 630.23,-501.72 641.95,-490 840,-490 852.5,-502.5 D2.1 ; R30.1 995.59,-570.59 1015.59,-590.59 R20.2 ; USB1.A9 1102.29,-854.18 1074.18,-854.18 1060,-840 1060,-760 1074.18,-745.82 1102.29,-745.82 USB1.B9
VLOUD: C24.2 C32.1 C34.1 C38.2 IC10.5 IC12.3 IC12.5 IC13.1 IC13.3 IC14.3 L1.1 Q4.3 R24.2 R32.1 | length 2999.1
  PWR w20: v2(155,-740) 155,-600 ; v2(249.09,-355) 145,-355 105,-395 105,-515 155,-565 155,-600 ; v2@249.94,-354.15 v2(249.88,-245.87) v2(249.88,-245.87) 310,-185.75 310,-185 345,-150 615,-150 645,-180 645,-340 700,-395 800,-395 945,-540 945,-635 1040,-730 1040,-1145 v1(1025,-1160) ; v2@260,-600 155,-600
  PWR w30: v2(249.09,-355) v2@249.94,-354.15 ; v2@260,-600 v2(261.11,-598.89)
  Bottom Layer w6: Q4.3 765,-1010 745.36,-1029.64 745.36,-1070.36 765,-1090 1005,-1090 1025,-1110 v1(1025,-1160) 1053,-1188 1072.41,-1188 R32.1
VOUT: D2.2 E4.1 IC8.6 Q3.2 Q4.2 R38.1 | length 1234.4
  PWR w20: v1(400.12,-335.03) 491.62,-426.53 491.62,-521.62 536.78,-566.78 576.78,-566.78 v2(630,-620) 730,-720 730,-815 885,-970 v2(935,-970)
  Bottom Layer w20: E4.1@464.53,-602.4 E4.1 461.62,-618.55 628.55,-618.55 v2(630,-620) Q3.2@630,-602.4 ; Q3.2@630.16,-602.24 630.16,-583.7 645.5,-568.36 709.14,-568.36 D2.2
pads on no net: BUZZER1.3 IC1.1 IC1.5 IC1.6 IC1.7 IC1.8 IC1.14 IC2.1 IC2.3 IC2.6 IC2.8 IC2.9 IC2.12 IC2.14 IC2.17 IC3.1 IC3.2 IC3.3 IC3.4 IC3.5 IC3.6 IC3.7 IC3.11 IC3.14 IC3.15 IC3.16 IC3.17 IC3.19 IC3.21 IC3.22 IC3.25 IC4.2 IC4.3 IC5.3 IC5.4 IC5.18 IC5.29 IC5.45 IC6.1 IC6.3 IC6.4 IC6.5 IC6.6 IC6.7 IC6.8 IC6.9 IC6.10 IC6.12 IC6.13 IC8.4 IC13.4 JP1.0 JP3.0 JP4.18 K1. K1.b K1.s SW_PWR1. SW_PWR1.3 SW_PWR1.4 USB1.1 USB1.2 USB1.3 USB1.4 USB1.A5 USB1.B5

## Polygon pours and split planes (outlines as drawn)
GND on Bottom Layer "GND_L04_P041" (solid, remove dead copper, pour order 41): 1320,-20 1035,-20 1035,-560 460,-560 460,-20 20,-20 20,-1320 1320,-1320
GND on Bottom Layer "GND_L04_P037" (solid, remove dead copper, pour order 37): 215,-1355 215,-1795 555,-1795 555,-1355
BAT+ on Bottom Layer "BAT+_L04_P042" (solid, pour order 42): 505,-575 505,-465 585,-465 585,-495 555,-495 555,-575
VOUT on Bottom Layer "VOUT_L04_P032" (solid, pour order 32): 655,-590 655,-640 595,-640 595,-590
VLOUD on Bottom Layer "VLOUD_L04_P016" (solid, pour order 16): 240,-815 240,-845 175,-845 175,-915 133.22,-915 133.22,-665 175,-665 175,-815
+5V on Bottom Layer "+5V_L04_P020" (solid, pour order 20): 240,-440 301.19,-440 301.19,-529.02 240,-529.02
VLOUD on Bottom Layer "VLOUD_L04_P026" (solid, pour order 26): 245,-181.78 295,-181.78 295,-238.15 205,-238.15 205,-230 175,-230 175,-260.84 320,-260.84 320,-160 245,-160
+3.3V on Bottom Layer "+3.3V_L04_P025" (solid, pour order 25): 475,-221.21 355,-221.21 355,-265 475,-265
+1.8V on Bottom Layer "+1.8V_L04_P024" (solid, pour order 24): 475,-370 345,-370 345,-430.32 475,-430.32
VLOUD on Bottom Layer "VLOUD_L04_P021" (solid, pour order 21): 296.22,-350 236.22,-350 236.22,-370 175,-370 175,-400.73 296.22,-400.73
VLOUD on Bottom Layer "VLOUD_L04_P018" (solid, pour order 18): 375,-581.15 234.7,-581.15 234.7,-544.2 158.99,-544.2 158.99,-566.34 223.62,-566.34 223.62,-612.03 375,-612.03
NetD1_1 on Bottom Layer "NETD1_1_L04_P014" (solid, pour order 14): 305,-839.85 305,-775 225,-775 225,-665 360,-665 360,-839.85
NetC21_1 on Bottom Layer "NETC21_1_L04_P012" (solid, pour order 12): 420,-885 310,-885 310,-995 420,-995
+15V on Bottom Layer "+15V_L04_P009" (solid, pour order 9): 587.7,-899.75 587.7,-946.54 495,-946.54 495,-1000 435,-1000 435,-725 495,-725 495,-899.75
VOUT on Bottom Layer "VOUT_L04_P007" (solid, pour order 7): 980,-955 760,-955 760,-985 980,-985
VOUT on Bottom Layer "VOUT_L04_P005" (solid, pour order 5): 750,-530 685,-530 685,-585 750,-585
VBUS on Bottom Layer "VBUS_L04_P004" (solid, pour order 4): 965,-550 890,-550 890,-530 820,-530 820,-590 965,-590
BAT+ on Bottom Layer "BAT+_L04_P003" (solid, pour order 3): 873.38,-860 873.38,-935 980,-935 980,-860
VBUS on Bottom Layer "VBUS_L04_P002" (solid, pour order 2): 1070,-790 1000,-790 1000,-828.17 1070,-828.17
NetC23_2 on Bottom Layer "NETC23_2_L04_P001" (solid, pour order 1): 980,-634.14 872.18,-634.14 872.18,-707.37 949.19,-707.37 949.19,-746.19 980,-746.19
VBUS on Bottom Layer "VBUS_L04_P000" (solid, pour order 0): 1074.43,-748.63 1074.43,-667.77 1036.67,-630 1004.81,-630 1000,-634.81 1000,-664.93 1005.07,-670 1035.19,-670 1050,-684.81 1050,-770
GND on Top Layer "GND_L01_P036" (solid, remove dead copper, pour order 36): 215,-1360 215,-1800 555,-1800 555,-1360
GND on Top Layer "GND_L01_P035" (solid, remove dead copper, pour order 35): 1318.66,-12.2 18.66,-12.2 18.66,-1312.2 1318.66,-1312.2
+3.3V on PWR "+3.3V_L03_P034" (solid, remove dead copper, pour order 34): 40,-40 1300,-40 1300,-1300 40,-1300 40,-40
GND on GND (split plane): 152 vertices, not listed, extent 20.05,-1799.95 1318.54,-20.05

## Keep-outs
Keep-Out Layer:
  lines w10: 0,-1288.58 ccw(c50,-1288.58) 50,-1338.58 296.22,-1338.58 296.22,-1340 236.22,-1340 ccw(c236.22,-1380) 196.22,-1380 196.22,-1780 ccw(c236.22,-1780) 236.22,-1820 536.22,-1820 ccw(c536.22,-1780) 576.22,-1780 576.22,-1380 ccw(c536.22,-1380) 536.22,-1340 476.22,-1340 476.22,-1338.58 1288.58,-1338.58 ccw(c1288.58,-1288.58) 1338.58,-1288.58 1338.39,-1288.39 1338.39,-978.03 1338.35,-978.04 1338.35,-624 1338.58,-623.79 1338.58,-50 ccw(c1288.58,-50) 1288.58,0 50,0 ccw(c50,-50) 0,-50 0,-1288.58

## Text inside footprints (layer, text, board x,y; h text height)
H1: Bottom Overlay "+" at 261,-1195.67 h50 r180; Bottom Overlay "-" at 261,-1079.01 h50 r180